# Altium PCB PCB1.PcbDoc
Units mm, origin at the board's own origin, x right, y up, seen from the top; angles counter-clockwise.
Board outline 32 x 32 mm, 2 copper layers (Top Layer, Bottom Layer); 100 components, 68 nets, 360 pads, 12 vias.
Unrouted connection lines stored in the file: 257.
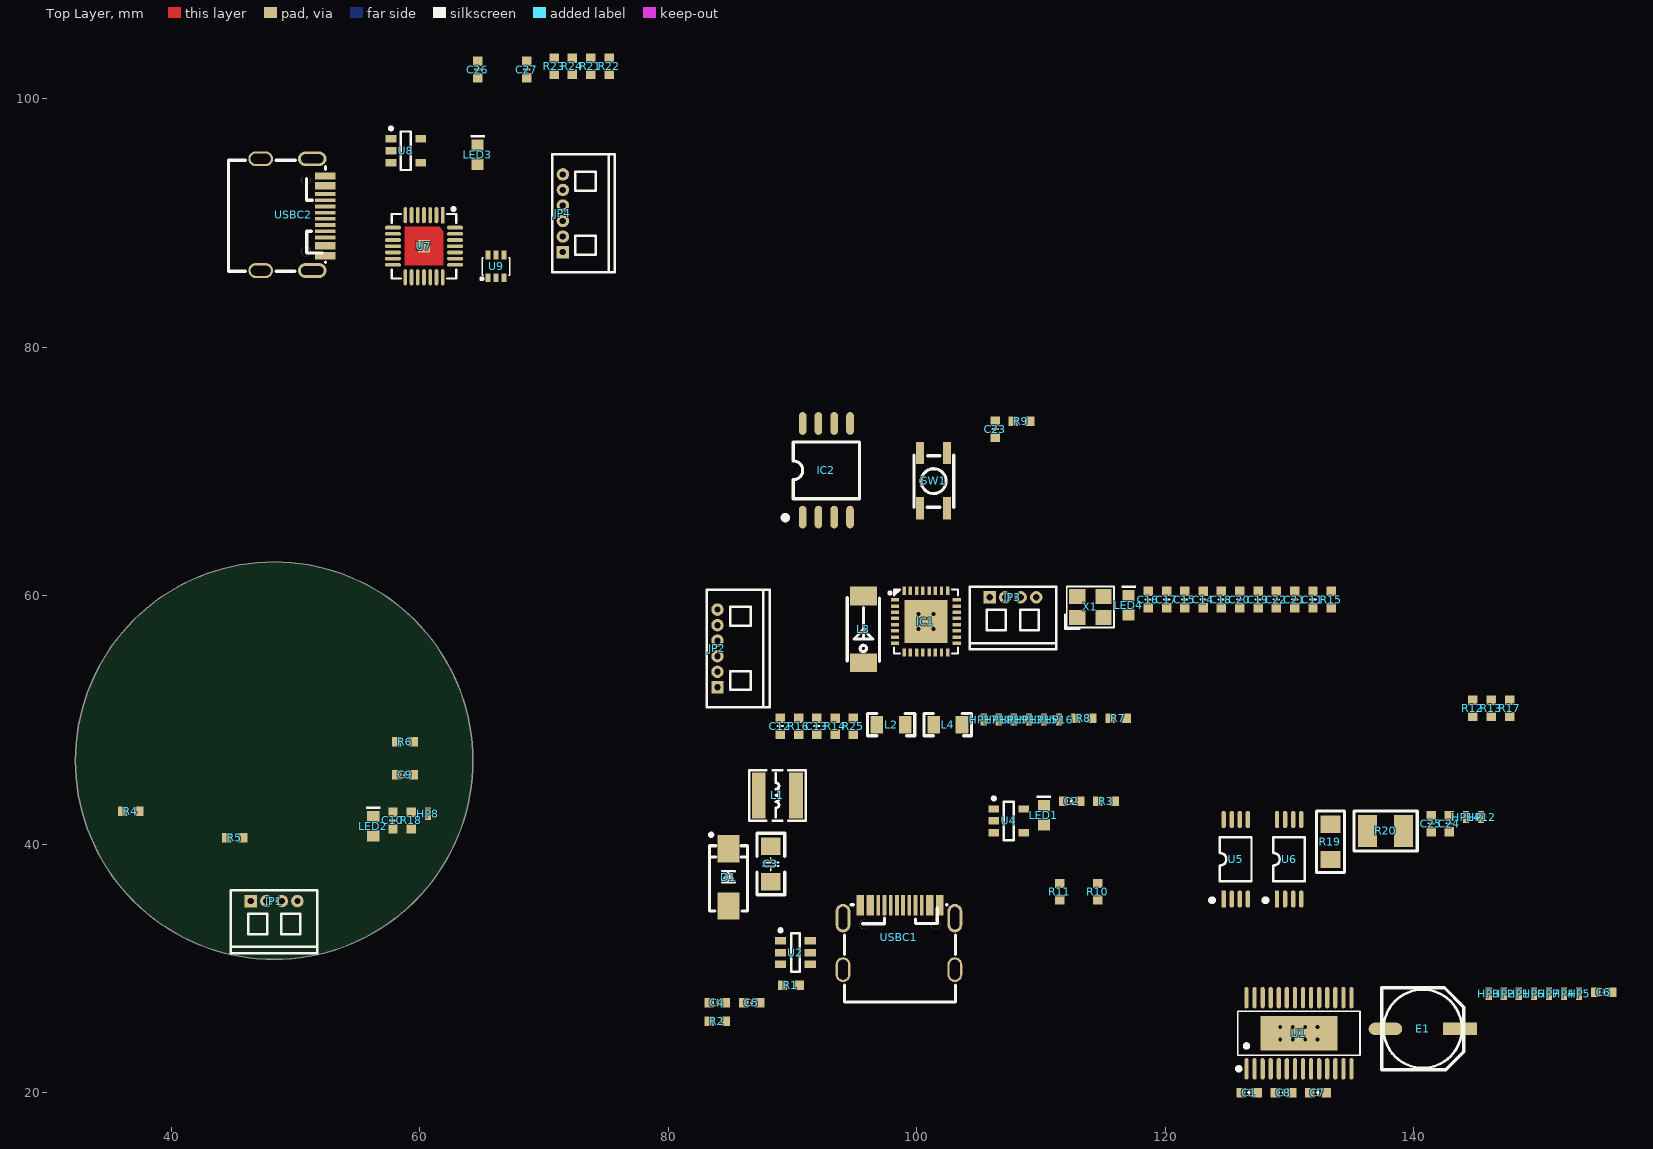
[diagram p0: Top Layer view]
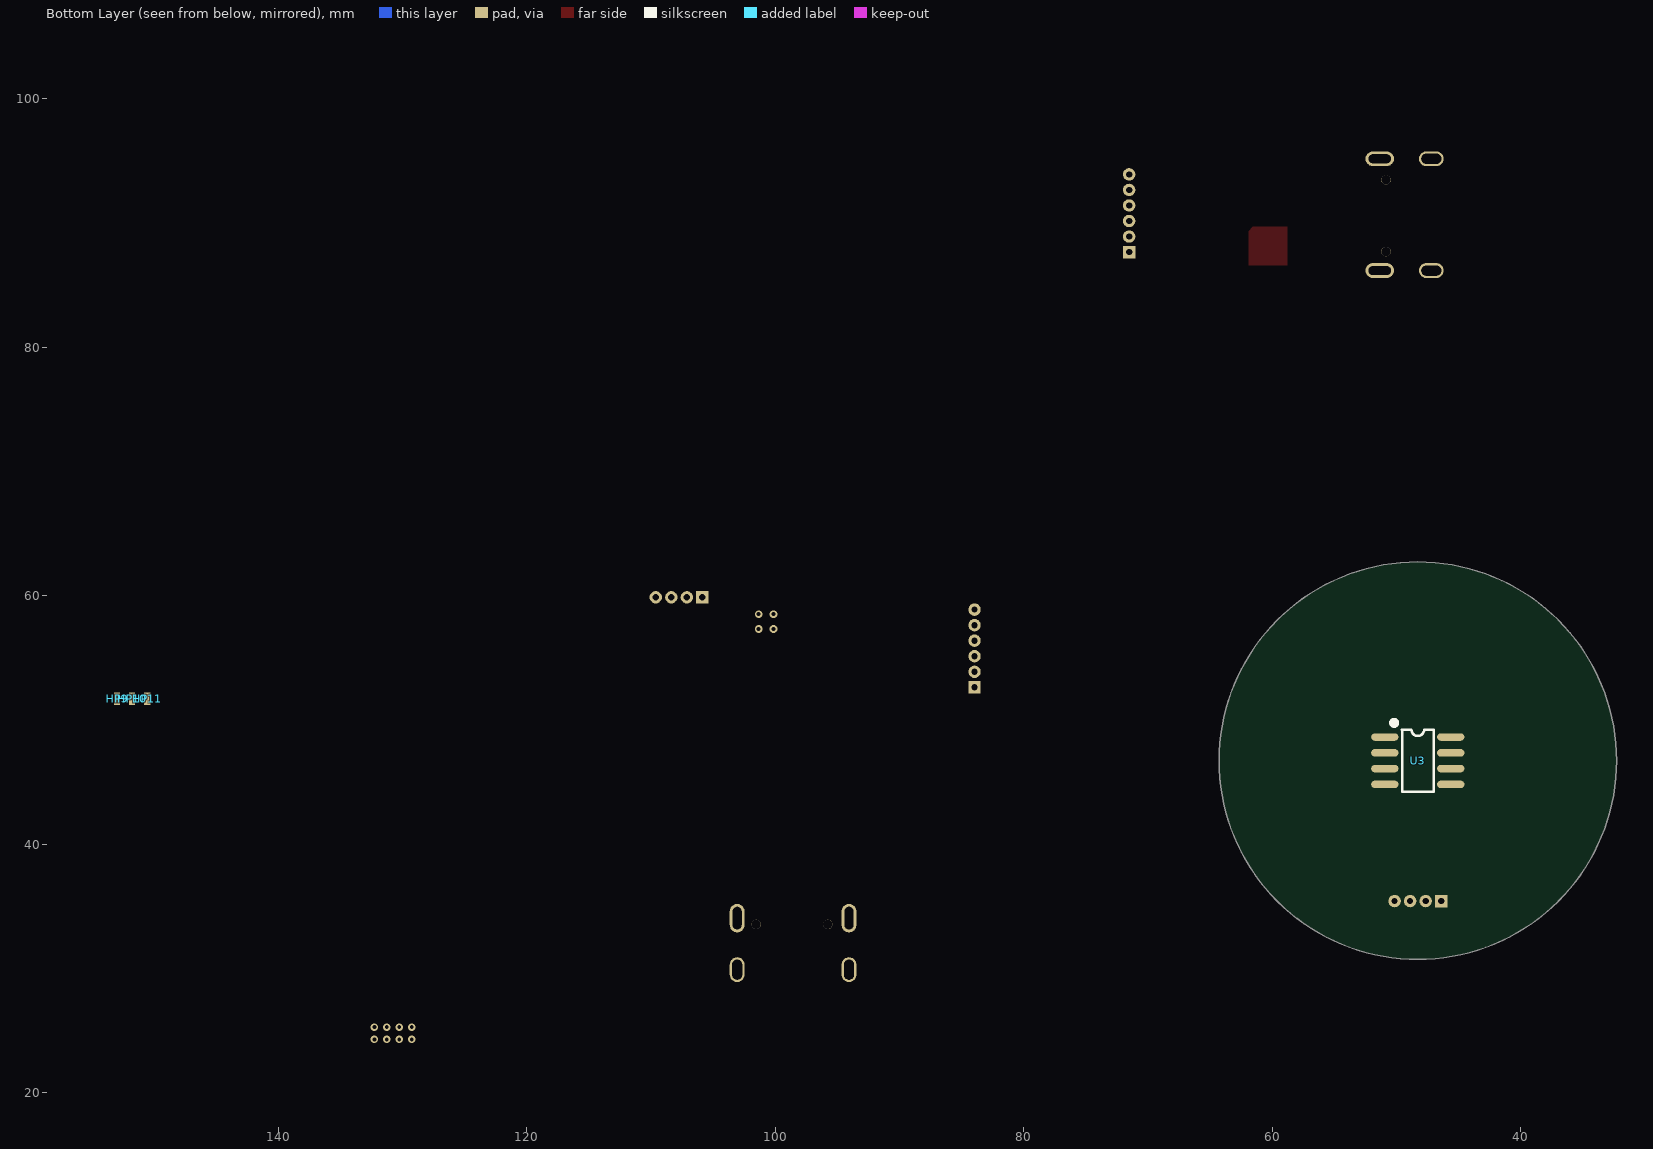
[diagram p1: Bottom Layer view, seen from below]

## Layer stack, top to bottom
Top Solder: solder mask 0.0102, Solder Resist, Dk 3.5
Top Layer: signal copper 0.0356
Dielectric 1: dielectric 0.32, FR-4, Dk 4.8
Bottom Layer: signal copper 0.0356
Bottom Solder: solder mask 0.0102, Solder Resist, Dk 3.5

## Board outline
32.269,46.73 ccw(c48.269,46.73) 48.269,30.73 ccw(c48.269,46.73) 64.269,46.73 ccw(c48.269,46.73) 48.269,62.73 ccw(c48.269,46.73)

## Design rules (kind name [scope] priority, off if disabled: settings)
Clearance [All] p1: gap=0.152 ignorepadtopadclearanceinfootprint=TRUE
PolygonConnect [InNet('GND')] p1: thpad.connectstyle=Relief thpad.reliefconductorwidth=0.254 thpad.reliefentries=4 thpad.polygonreliefangle="90 Angle" thpad.airgapwidth=0.254 smdpad.connectstyle=Relief smdpad.reliefconductorwidth=0.254 smdpad.reliefentries=4 smdpad.polygonreliefangle="90 Angle" smdpad.airgapwidth=0.254 via.connectstyle=Direct via.reliefconductorwidth=0.254 via.reliefentries=4 via.polygonreliefangle="90 Angle" via.airgapwidth=0.254
RoutingVias [All] p1: holewidth=0.4 width=0.6 viastyle="Through Hole" minholewidth=0.4 minwidth=0.6 maxholewidth=0.4 maxwidth=0.6
SolderMaskExpansion [All] p1: expansion=0.102 istentingtop=FALSE
UnRoutedNet [All] p1: checkbadconnections=TRUE
Width [All] p1: maxlimit=0.305 minlimit=0.203 preferedwidth=0.203
29 further rules are at their usual default settings.

## Components (designator, comment, footprint, x,y, rotation, side; value= is the part's Value field where it differs from the comment)
C1 "104" "C 0603_L" 126.736,20.02 r0 top
C2 "104" "C 0603_L" 112.449,43.459 r0 top
C3 "22uF" "C 1206_L" 88.24,38.394 r90 top
C4 "104" "C 0603_L" 83.937,27.241 r0 top
C5 "10uF" "C 0603_L" 86.71,27.241 r0 top
C6 "0.47uF" "C 0603_L" 155.285,28.092 r0 top
C7 "0.01uF/100V" "C 0603_L" 132.282,20.02 r0 top
C8 "0.1uF/16V/MLCC" "C 0603_L" 129.509,20.02 r0 top
C9 "104" "C 0603_L" 58.801,45.593 r0 top
C10 "105" "C 0603_L" 57.83,41.92 r90 top
C11 "10pF" "C 0603_L" 131.881,59.7 r90 top
C12 "10pF" "C 0603_L" 89.002,49.514 r90 top
C13 "105" "C 0603_L" 91.948,49.514 r90 top
C14 "103" "C 0603_L" 123.041,59.7 r90 top
C15 "105" "C 0603_L" 121.568,59.7 r90 top
C16 "104" "C 0603_L" 118.622,59.7 r90 top
C17 "104" "C 0603_L" 120.095,59.7 r90 top
C18 "2.4pF" "C 0603_L" 124.515,59.7 r90 top
C19 "8.2pF" "C 0603_L" 127.461,59.7 r90 top
C20 "104" "C 0603_L" 125.988,59.7 r90 top
C21 "105" "C 0603_L" 130.407,59.7 r90 top
C22 "104" "C 0603_L" 128.934,59.7 r90 top
C23 "104" "C 0603_L" 106.295,73.416 r90 top
C24 "104" "C 0603_L" 142.86,41.666 r90 top
C25 "104" "C 0603_L" 141.387,41.666 r90 top
C26 "104" "C 0603_L" 64.643,102.362 r90 top
C27 "104" "C 0603_L" 68.58,102.362 r90 top
D1 "SS14" SMA 84.836,37.338 r90 top
E1 "100uF/16V" "CM D(6.3*5.4)" 140.714,25.148 r0 top
HP1 "HP" HP1x0.5 148.448,27.973 r90 top
HP2 "HP" HP1x0.5 147.236,27.973 r90 top
HP3 "HP" HP1x0.5 146.025,27.973 r90 top
HP4 "HP" HP1x0.5 152.081,27.973 r90 top
HP5 "HP" HP1x0.5 153.292,27.973 r90 top
HP6 "HP" HP1x0.5 149.659,27.973 r90 top
HP7 "HP" HP1x0.5 150.87,27.973 r90 top
HP8 "HP" HP1x0.5 60.645,42.451 r90 top
HP9 "OUT1" HP1x0.5 152.963,51.722 r90 bottom
HP10 "OUT2" HP1x0.5 151.752,51.722 r90 bottom
HP11 "OUT3" HP1x0.5 150.54,51.722 r90 bottom
HP12 "HP" HP1x0.5 145.413,42.197 r90 top
HP13 "HP" HP1x0.5 109.014,50.045 r90 top
HP14 "HP" HP1x0.5 144.202,42.197 r90 top
HP15 "HP" HP1x0.5 110.225,50.045 r90 top
HP16 "HP" HP1x0.5 111.437,50.045 r90 top
HP17 "HP" HP1x0.5 105.381,50.045 r90 top
HP18 "HP" HP1x0.5 106.592,50.045 r90 top
HP19 "HP" HP1x0.5 107.803,50.045 r90 top
IC1 "ESP32-C3" ESP32-C3 100.73,57.929 r0 top
IC2 "W25Q64" SOIC-8W 92.71,70.104 r90 top
JP1 "HDR-1X4" "MX 1.25-WI-4P" 48.26,35.433 r0 top
JP2 "HDR-1X6" "MX 1.25-WI-6P" 83.947,55.763 r90 top
JP3 "HDR-1X4" "MX 1.25-WI-4P" 107.731,59.883 r0 top
JP4 "HDR-1X6" "MX 1.25-WI-6P" 71.501,90.795 r90 top
L1 "4.7uH" NR4020 88.773,43.942 r0 top
L2 "2.0nH" "L 0805" 97.917,49.631 r0 top
L3 "AN2051" "AN2051-245 2.4G" 95.725,57.28 r90 top
L4 "1.5nH" "L 0805" 102.489,49.631 r0 top
LED1 "B" "LED 0603B" 110.217,42.342 r90 top
LED2 "B" "LED 0603B" 56.248,41.453 r90 top
LED3 "B" "LED 0603B" 64.643,95.504 r90 top
LED4 "B" "LED 0603B" 117.04,59.233 r90 top
R1 "47K" "R 0603_L" 89.864,28.638 r0 top
R2 "3K" "R 0603_L" 83.937,25.768 r0 top
R3 "4.7K" "R 0603_L" 115.222,43.459 r0 top
R4 "4.7K" "R 0603_L" 36.718,42.672 r0 top
R5 "4.7K" "R 0603_L" 45.085,40.513 r0 top
R6 "1K" "R 0603_L" 58.801,48.26 r0 top
R7 "0" "R 0603_L" 116.202,50.164 r0 top
R8 "0" "R 0603_L" 113.429,50.164 r0 top
R9 "10K" "R 0603_L" 108.418,74.066 r0 top
R10 "5.1K" "R 0603_L" 114.554,36.195 r270 top
R11 "5.1K" "R 0603_L" 111.506,36.195 r90 top
R12 "0" "R 0603_L" 144.755,50.937 r90 top
R13 "0" "R 0603_L" 146.228,50.937 r90 top
R14 "10K" "R 0603_L" 93.421,49.514 r90 top
R15 "10K" "R 0603_L" 133.354,59.7 r90 top
R16 "10K" "R 0603_L" 90.475,49.514 r90 top
R17 "0" "R 0603_L" 147.701,50.937 r90 top
R18 "4.7K" "R 0603_L" 59.303,41.92 r90 top
R19 "0.01R" "R 1206_L" 133.29,40.172 r90 top
R20 "0.01R" "R 1210_L" 137.719,41.072 r0 top
R21 "5.1K" "R 0603_L" 73.748,102.626 r90 top
R22 "5.1K" "R 0603_L" 75.222,102.626 r90 top
R23 "4.7K" "R 0603_L" 70.802,102.626 r90 top
R24 "1K" "R 0603_L" 72.275,102.626 r90 top
R25 "1K" "R 0603_L" 94.894,49.514 r90 top
SW1 "3.2x4.2x5" "TSW SMD 3.2*4.2*2.5" 101.346,69.215 r90 top
U1 "DRV8313" HTSSOP-28-EP-4.5mm 130.752,24.793 r0 top
U2 "MT3608" SOT23-6L 90.22,31.278 r0 top
U3 "AS5600" SOIC-8 48.269,46.73 r180 bottom
U4 "TLV75533PDBVR" SOT23-5L 107.391,41.892 r0 top
U5 "INA240" TSSOP8_N 125.661,38.797 r90 top
U6 "INA240" TSSOP8_N 129.962,38.797 r90 top
U7 "CP2102" "QFN28 5x5_M" 60.325,88.138 r180 top
U8 "TLV75533PDBVR" SOT23-5L 58.871,95.824 r0 top
U9 "UMH3N" SOT-363 66.167,86.487 r90 top
USBC1 "TYPE-C 2.0 -16P" USB-C-SMD_TYPE-C-USB-5 98.552,32.385 r0 top
USBC2 "TYPE-C 2.0 -16P" USB-C-SMD_TYPE-C-USB-5 49.657,90.678 r270 top
X1 "40M" "OSC 3225-4P" 113.96,59.107 r0 top

## Footprints (in the part's own frame and the unit in brackets; to place one, negate y for a bottom-side part, rotate by r counter-clockwise, add the part's x,y. Pads: shape width x height; smd on the part's side, far side on the other; paste and mask are expansions set on the pad)
"AN2051-245 2.4G" [mm] "2x5x1mm (2051)"
  rect 1.5x2.2 smd: 1(-2.679,0.03) 2(2.701,0.03)
  silkscreen extent -2.55,-1.27 2.56,1.33, body extent -2.59,-1.3 2.57,1.35, height 1
"C 0603_L" [mil] "无极性贴片电容                                       淘宝ID:黄晶宝石"
  rect 30x30 smd: 1(-25.59,0) 2(25.59,0)
  silkscreen extent -3,-9 3,9, body extent -31,-16 32,16, height 32
"C 1206_L" [mil] "无极性贴片电容                 淘宝ID:黄晶宝石"
  rect 55x62 smd: 1(-55.12,0) 2(57.09,0)
  silkscreen extent -96,-44 98,44, body extent -63,-32 63,32, height 48
"CM D(6.3*5.4)" [mm] "贴片电解电容，直径6.3mm，高5.4mm           淘宝ID:黄晶宝石"
  rect 2.7x1 smd: 1(3,0)
  oval 2.7x1 smd: 2(-3,0)
  silkscreen extent -3.3,-3.3 3.3,3.3, body extent -3.5,-3.3 3.5,3.3, height 5.4
ESP32-C3 [mm] "QFN32(5x5)"
  rect 0.65x0.28 smd: 1(-2.478,1.75) 2(-2.478,1.25) 3(-2.478,0.75) 4(-2.478,0.25) 5(-2.478,-0.25) 6(-2.478,-0.75) 7(-2.478,-1.25) 8(-2.478,-1.75) 17(2.478,-1.75) 18(2.478,-1.25) 19(2.478,-0.75) 20(2.478,-0.25) 21(2.478,0.25) 22(2.478,0.75) 23(2.478,1.25) 24(2.478,1.75)
  rect 0.28x0.65 smd: 9(-1.75,-2.478) 10(-1.25,-2.478) 11(-0.75,-2.478) 12(-0.25,-2.478) 13(0.25,-2.478) 14(0.75,-2.478) 15(1.25,-2.478) 16(1.75,-2.478) 25(1.75,2.478) 26(1.25,2.478) 27(0.75,2.478) 28(0.25,2.478) 29(-0.25,2.478) 30(-0.75,2.478) 31(-1.25,2.478) 32(-1.75,2.478)
  rect 3.444x3.444 smd: 33(0,0)
  silkscreen extent -3,-2.58 2.58,2.58, body extent -2.54,-2.54 2.54,2.54, height 0.25
HP1x0.5 [mm]
  rect 1x0.5 smd: 1(0,0)
HTSSOP-28-EP-4.5mm [mm] "DRV8313"
  oval 0.343x1.731 smd paste+0 mask+0.051: 1(-4.225,-2.866) 2(-3.575,-2.866) 3(-2.925,-2.866) 4(-2.275,-2.866) 5(-1.625,-2.866) 6(-0.975,-2.866) 7(-0.325,-2.866) 8(0.325,-2.866) 9(0.975,-2.866) 10(1.625,-2.866) 11(2.275,-2.866) 12(2.925,-2.866) 13(3.575,-2.866) 14(4.225,-2.866) 15(4.225,2.866) 16(3.575,2.866) 17(2.925,2.866) 18(2.275,2.866) 19(1.625,2.866) 20(0.975,2.866) 21(0.325,2.866) 22(-0.325,2.866) 23(-0.975,2.866) 24(-1.625,2.866) 25(-2.275,2.866) 26(-2.925,2.866) 27(-3.575,2.866) 28(-4.225,2.866)
  rect 6.2x2.75 smd paste+0 mask+0.051: 29(0,0)
  silkscreen extent -5,-3.02 4.93,1.77
"L 0805" [mil] "小功率贴片电感        淘宝ID:黄晶宝石"
  rect 40x55 smd: 1(-45,0) 2(45,0)
  silkscreen extent -75,-35 75,35, body extent -39,-24 39,24, height 35
"LED 0603B" [mm] "蓝色0603LED                             淘宝ID:黄晶宝石"
  rect 0.93x0.98 smd: 1(-0.77,0) 2(0.77,0)
  silkscreen extent 1.4,-0.58 1.6,0.58, body extent -0.8,-0.4 0.8,0.4, height 0.61
"MX 1.25-WI-4P" [mm] "长：6.75mm，宽：1.8mm，高：3.3mm"
  rect 1x1 hole 0.5: 1(-1.875,0)
  round 1 hole 0.5: 2(-0.625,0) 3(0.625,0) 4(1.875,0)
  silkscreen extent -3.49,-4.19 3.49,0.85, body extent -3.37,-4.05 3.37,0.85, height 3.35
"MX 1.25-WI-6P" [mm] "长：9.25mm，宽：1.8mm，高：3.3mm"
  rect 1x1 hole 0.5: 1(-3.125,0)
  round 1 hole 0.5: 2(-1.875,0) 3(-0.625,0) 4(0.625,0) 5(1.875,0) 6(3.125,0)
  silkscreen extent -4.74,-4.19 4.74,0.85, body extent -4.62,-4.05 4.62,0.85, height 3.35
NR4020 [mm] "4.0mm*4.0mm*2.0mm(长*宽*高）"
  rect 1.1x3.7 smd: 1(-1.5,0) 2(1.5,0)
  silkscreen extent -2.29,-2.03 2.29,2.03, body extent -2,-2 2,2, height 2.1
"OSC 3225-4P" [mm] "3.2*2.5*0.7mm(长宽高)                         淘宝ID:黄晶宝石"
  rect 1.3x1.2 smd: 1(-1.05,-0.85) 2(1.05,-0.85) 3(1.05,0.85) 4(-1.05,0.85)
  silkscreen extent -2.03,-1.75 1.91,1.65, body extent -1.6,-1.25 1.6,1.25, height 0.7
"QFN28 5x5_M" [mm] "28脚，长x宽x高：5x5x0.8mm，脚距：0.5mm"
  rect 0.3x1.3 smd: 1(-1.5,-2.5)
  oval 0.3x1.3 smd: 2(-1,-2.5) 3(-0.5,-2.5) 4(0,-2.5) 5(0.5,-2.5) 6(1,-2.5) 7(1.5,-2.5) 15(1.5,2.5) 16(1,2.5) 17(0.5,2.5) 18(0,2.5) 19(-0.5,2.5) 20(-1,2.5) 21(-1.5,2.5)
  oval 1.3x0.3 smd: 8(2.5,-1.5) 9(2.5,-1) 10(2.5,-0.5) 11(2.5,0) 12(2.5,0.5) 13(2.5,1) 14(2.5,1.5) 22(-2.5,1.5) 23(-2.5,1) 24(-2.5,0.5) 25(-2.5,0) 26(-2.5,-0.5) 27(-2.5,-1) 28(-2.5,-1.5)
  rect 1x1 smd: 29(0,0)
  Top Layer region: -1.55,1.55 1.55,1.55 1.55,-1.55 -1.225,-1.55 -1.55,-1.225
  silkscreen extent -2.6,-3.12 2.6,2.6, body extent -2.51,-2.51 2.51,2.51
"R 0603_L" [mil] "1/10W贴片电阻                 淘宝ID:黄晶宝石"
  rect 30x30 smd: 1(-25.59,0) 2(25.59,0)
  body extent -31,-16 32,16, height 16
"R 1206_L" [mil] "1/4W贴片电阻             淘宝ID:黄晶宝石"
  rect 55x62 smd: 1(-55.12,0) 2(57.09,0)
  silkscreen extent -96,-44 98,44, body extent -63,-31 63,32, height 22
"R 1210_L" [mm] "1/3W贴片电阻             淘宝ID:黄晶宝石"
  rect 1.524x2.54 smd: 1(-1.45,0) 2(1.45,0)
  silkscreen extent -2.55,-1.6 2.55,1.6, body extent -1.57,-1.25 1.62,1.25, height 0.55
SMA [mm] "4.5x2.6*2.2mm（长宽高，不包括引脚）"
  rect 2.2x1.75 smd: 1(-2.3,0) 2(2.3,0)
  silkscreen extent -2.7,-1.52 3.56,1.52, body extent -2.53,-1.3 2.58,1.3, height 2.15
SOIC-8 [mm] "封装库来自淘宝卖家 ID：黄晶宝石"
  oval 2.2x0.6 smd: 1(-2.654,1.905) 2(-2.654,0.635) 3(-2.654,-0.635) 4(-2.654,-1.905) 5(2.654,-1.905) 6(2.654,-0.635) 7(2.654,0.635) 8(2.654,1.905)
  silkscreen extent -2.06,-2.5 1.27,3.2, body extent -3,-2.5 3,2.5, height 1.9
SOIC-8W [mil] "25Q128 SPI_FLASH  SOIC8，封装库来自淘宝卖家 ID：黄晶宝石"
  oval 72x24 smd: 1(-148.35,75) 2(-148.35,25) 3(-148.35,-25) 4(-148.35,-75) 5(148.35,-75) 6(148.35,-25) 7(148.35,25) 8(148.35,75)
  silkscreen extent -155,-105 90,135, body extent -155,-104 155,104, height 75
SOT23-5L [mm] "SOT23, 5-Leads, Body 2.9x1.6mm, Pitch 0.95mm, IPC High Density封装库来自淘宝卖家 ID：黄晶宝石"
  rect 0.85x0.6 smd: 1(-1.2,0.95) 2(-1.2,0) 3(-1.2,-0.95) 4(1.2,-0.95) 5(1.2,0.95)
  silkscreen extent -1.32,-1.55 0.4,1.92, body extent -1.4,-1.5 1.4,1.5, height 1.15
SOT23-6L [mm] "SOT-23, 6-Leads, Body 2.90x1.60mm, Pitch 0.95mm, IPC High Density封装库来自淘宝卖家 ID：黄晶宝石"
  rect 0.9x0.6 smd: 1(-1.2,0.95) 2(-1.2,0) 3(-1.2,-0.95) 4(1.2,-0.95) 5(1.2,0) 6(1.2,0.95)
  silkscreen extent -1.32,-1.55 0.35,1.92, body extent -1.4,-1.5 1.4,1.5, height 1.15
SOT-363 [mm]
  rect 0.7x0.42 smd: 1(-0.895,0.695) 2(-0.895,0.045) 3(-0.895,-0.605) 4(0.945,-0.605) 5(0.945,0.045) 6(0.945,0.695)
  silkscreen extent -1.07,-1.05 0.72,1.29, body extent -0.68,-1.05 0.72,1.15, height 0.5
TSSOP8_N [mm] "SSOP-8_L3.0-W4.4-H1.0-LS6.4-P0.65  封装库来自淘宝卖家 ID：黄晶宝石"
  rect 1.4x0.35 smd: 1(-3.2,0.975)
  oval 1.4x0.35 smd: 2(-3.2,0.325) 3(-3.2,-0.325) 4(-3.2,-0.975) 5(3.2,-0.975) 6(3.2,-0.325) 7(3.2,0.325) 8(3.2,0.975)
  silkscreen extent -3.43,-1.27 1.78,2.03, body extent -3.18,-1.58 3.1,1.42, height 1.09
"TSW SMD 3.2*4.2*2.5" [mm]
  rect 1.8x0.65 smd: 1(-2.159,1.083) 2(2.286,1.083) 3(-2.159,-1.083) 4(2.286,-1.083)
  silkscreen extent -2.09,-1.62 2.11,1.58, body extent -2.46,-1.6 2.54,1.6, height 2.5
USB-C-SMD_TYPE-C-USB-5 [mm]
  oval 1.2x2 hole 0.8 slot 1.6 at 90 deg: 0(-4.5,-2.475) 0(4.5,-2.475)
  oval 1.2x2.3 hole 0.7 slot 1.8 at 90 deg: 0(-4.5,1.675) 0(4.5,1.675)
  rect 0.3x1.65 smd: A1(-3.263,2.725) A4(-2.462,2.725) A5(-1.162,2.725) A6(-0.162,2.725) A7(0.337,2.725) A8(-1.663,2.725) A9(2.638,2.725) A12(3.438,2.725) B1(3.138,2.725) B4(2.337,2.725) B5(1.838,2.725) B6(0.838,2.725) B7(-0.663,2.725) B8(1.337,2.725) B9(-2.162,2.725) B12(-2.963,2.725)
  round 0.75 hole 0.75 unplated: ""(-2.803,1.175) ""(2.978,1.175)
  silkscreen extent -4.38,-5.08 4.56,2.75, body extent -4.34,-5.14 4.6,2.76, height 3.25

## Part data
C1 C2 C3 C4 C5 C6 C7 C8 C9 C10 C11 C12 C13 C14 C15 C16 C17 C18 C19 C20 C21 C22 C23 C24 C25 C26 C27: library part C, "贴片电容", BOM名称=无极性贴片电容, 封装库来自淘宝卖家ID：黄晶宝石=其他店铺购入均为盗版假冒封装库, 联系卖家，免费查找封装=唯一出售店铺网址https://shop463601444.taobao.com
D1: "肖特基二极管", BOM名称=肖特基二极管, 属性=40V/1A, 联系卖家，免费查找封装=唯一出售店铺网址https://shop463601444.taobao.com
E1: library part CE_SMD, "贴片电解电容", BOM名称=贴片电解电容, 封装库来自淘宝卖家ID：黄晶宝石=其他店铺购入均为盗版假冒封装库, 联系卖家，免费查找封装=唯一出售店铺网址https://shop463601444.taobao.com
HP1 HP2 HP3 HP4 HP5 HP6 HP7 HP8 HP12 HP13 HP14 HP15 HP16 HP17 HP18 HP19: "引脚测试点"
HP9 HP10 HP11: library part HP, "引脚测试点"
IC1: "ESP32-C3 QFN-32(5x5)"
JP1 JP3: library part "Header 4", "4P接插件", BOM名称=4P接插件, 联系卖家，免费技术支持=唯一出售店铺网址https://shop463601444.taobao.com
JP2 JP4: library part "Header 6", "6P接插件", BOM名称=6P接插件, 联系卖家，免费技术支持=唯一出售店铺网址https://shop463601444.taobao.com
L1: library part L-NR, "NR磁胶电感", BOM名称=NR磁胶电感, 封装库来自淘宝卖家ID：黄晶宝石=其他店铺购入均为盗版假冒封装库, 联系卖家，免费查找封装=唯一出售店铺网址https://shop463601444.taobao.com
L2 L4: library part L, "小功率贴片电感", BOM名称=小功率贴片电感, 封装库来自淘宝卖家ID：黄晶宝石=其他店铺购入均为盗版假冒封装库, 联系卖家，免费查找封装=唯一出售店铺网址https://shop463601444.taobao.com
L3: "AN2051-245 2.4G蓝牙wifi 贴片 2051"
LED1 LED2 LED3 LED4: "贴片LED", BOM名称=贴片LED, 封装库来自淘宝卖家 ID：黄晶宝石=其他店铺购入均为假冒，请立即申请退款，本店奖励2~5元现金
R1 R2 R3 R4 R5 R6 R7 R8 R9 R10 R11 R12 R13 R14 R15 R16 R17 R18 R19 R20 R21 R22 R23 R24 R25: library part R, "贴片电阻", BOM名称=贴片电阻, 封装库来自淘宝卖家ID：黄晶宝石=其他店铺购入均为盗版假冒封装库, 联系卖家，免费查找封装=唯一出售店铺网址https://shop463601444.taobao.com
SW1: library part "TSW SMD-3.2x4.2", "贴片4.2*3.2轻触开关"
U1: "DRV8313 无刷直流BLDC 8V~60V三路半H桥驱动器IC"
U2: "DCDC 升压1.2MHZ 2A / 97%"
U3: "AS5600 12bit磁角度位置传感器"
U4 U8: "Vout:3.3V;Vin:1.45~5.5V,500ma;低压降"
U5 U6: "具有增强的 PWM 抑制能力的 -4V 至 80V、双向、超精密电流感应放大器"
U7: "USB转TTL"
U9: "2NPN预偏式(双)"
USBC1 USBC2: library part "USB2.0 Type-C 16Pin母座", "USB2.0 Type-C 母座 16Pin", 联系卖家，免费技术支持=唯一出售店铺网址https://shop463601444.taobao.com
X1: library part XTAL-4P, "4脚无源晶振", BOM名称=4脚无源晶振, 联系卖家，免费查找封装=唯一出售店铺网址https://shop463601444.taobao.com

## Via types
v1: diameter 0.6, hole 0.3, Top Layer to Bottom Layer, 8 vias
v2: diameter 0.61, hole 0.305, Top Layer to Bottom Layer, tented both sides, 3 vias
v3: diameter 0.61, hole 0.305, Top Layer to Bottom Layer, tented bottom, 1 vias

## Nets (pads, with @x,y where several pads share a name; then routed paths per layer and width w, separated by ;. In a path a pad name is that pad's centre, name@x,y a point inside that pad or via, vN(x,y) a via of type N, cw(c..) or ccw(c..) an arc to the next point about the centre after c; other vN are vias at no path point)
3.3: C9.2 C10.2 C13.2 C14.2 C15.2 C16.2 C20.2 C21.2 C22.2 C24.2 C25.1 C27.1 HP18.1 IC1.11 IC1.17 IC1.31 IC1.32 JP1.4 JP2.6 JP3.4 JP4.1 L2.1 R3.2 R4.1 R5.1 R9.2 R14.1 R15.1 R16.2 R18.2 R23.2 R24.1 R25.1 U3.1 U3.2 U4.5 U5.5 U5.6 U6.5 U6.6 U7.6 U8.5
+5: C2.2 C26.2 L1.2 U2.4 U2.5 U4.1 U4.3 U7.7 U7.8 U8.1 U8.3 USBC1.A4 USBC1.A9 USBC1.B4 USBC1.B9 USBC2.A4 USBC2.A9 USBC2.B4 USBC2.B9
AS_SCL: JP1.3 R5.2 U3.7
AS_SDA: JP1.2 R4.2 U3.6
CP_IO: JP4.3 U9.3
CP_RESET: JP4.2 U9.6
CP_RX: JP4.5 U7.25
CP_TX: JP4.4 U7.26
DTR: U7.28 U9.2 U9.4
EN: IC1.16 U1.22 U1.24 U1.26
FAULT: HP7.1 U1.18
GND: C1.1 C2.1 C3.1 C4.1 C5.1 C6.1 C9.1 C10.1 C11.1 C12.2 C13.1 C14.1 C15.1 C16.1 C17.1 C18.1 C20.1 C21.1 C22.1 C23.2 C24.1 C25.2 C26.1 C27.2 E1.2 HP19.1 IC1.33 IC2.4 JP1.1 JP2.1 JP3.1 JP4.6 L4.1 LED1.2 LED2.2 LED3.2 R2.1 R6.2 R10.1 R11.2 R21.1 R22.2 SW1.3 SW1.4 U1.6 U1.7 U1.10 U1.12 U1.13 U1.14 U1.19 U1.20 U1.21 U1.28 U1.29 U2.2 U3.4 U3.8 U4.2 U5.1 U5.4 U5.7 U6.1 U6.4 U6.7 U7.3 U7.29 U8.2 USBC1.0 USBC1.A1 USBC1.A12 USBC1.B1 USBC1.B12 USBC2.0 USBC2.A1 USBC2.A12 USBC2.B1 USBC2.B12 X1.2 X1.4
  other v1: 129.252,24.293 130.252,24.293 131.252,24.293 132.252,24.293 129.252,25.293 130.252,25.293 131.252,25.293 132.252,25.293
  other v2: 101.33,57.329 100.13,58.529 101.33,58.529
  other v3: 100.13,57.329
I2C_SCL: IC1.10 JP3.3
I2C_SDA: IC1.9 JP3.2
IN1: HP1.1 IC1.12 U1.27
IN2: HP2.1 IC1.13 U1.25
IN3: HP4.1 IC1.14 R16.1 U1.23
INA_ADC_1: HP12.1 IC1.4 U5.8
INA_ADC_2: HP14.1 IC1.5 U6.8
IO9: HP17.1 IC1.15 JP2.5
NetC6_2: C6.2 U1.15 U1.16 U1.17
NetC7_1: C7.1 U1.1
NetC7_2: C7.2 U1.2
NetC8_2: C8.2 U1.3
NetC11_2: C11.2 R8.2 X1.1
NetC12_1: C12.1 IC1.29 X1.3
NetC17_2: C17.2 IC1.2 IC1.3 L2.2
NetC18_2: C18.2 C19.2 L3.1
NetC19_1: C19.1 IC1.1 L4.2
NetD1_1: D1.1 L1.1 U2.1
NetHP8_1: HP8.1 U3.3
NetIC1_6: IC1.6 R15.2
NetIC1_28: IC1.28 R7.1
NetIC1_30: IC1.30 R8.1
NetLED1_1: LED1.1 R3.1
NetLED2_1: LED2.1 R18.1
NetLED3_1: LED3.1 R23.1
NetLED4_1: LED4.1 R25.2
NetR1_1: R1.1 R2.2 U2.3
NetR6_1: R6.1 U3.5
NetR10_2: R10.2 USBC1.B5
NetR11_1: R11.1 USBC1.A5
NetR21_2: R21.2 USBC2.B5
NetR22_1: R22.1 USBC2.A5
NetR24_2: R24.2 U7.9
OUT1_N: HP9.1 R12.2 R19.2 U5.2
OUT1_P: HP3.1 R12.1 R19.1 U1.5 U5.3
OUT2_N: HP10.1 R13.2 R20.2 U6.2
OUT2_P: HP5.1 R13.1 R20.1 U1.8 U6.3
OUT3_N: HP11.1 R17.2
OUT3_P: HP6.1 R17.1 U1.9
P3: IC1.8 LED4.2
RESET: C23.1 HP16.1 IC1.7 JP2.4 R9.1 R14.2 SW1.1 SW1.2
RTS: U7.24 U9.1 U9.5
SPI_VDD: IC1.18 IC2.8
SPICLK: IC1.22 IC2.6
SPICS0: IC1.21 IC2.1
SPID: IC1.23 IC2.5
SPIHD: IC1.19 IC2.7
SPIQ: IC1.24 IC2.2
SPIWP: IC1.20 IC2.3
U0+: U7.4 USBC2.A6 USBC2.B6
U0-: U7.5 USBC2.A7 USBC2.B7
U0RX: HP15.1 IC1.27 JP2.3
U0TX: HP13.1 JP2.2 R7.2
USBD+: IC1.26 USBC1.A6 USBC1.B6
USBD-: IC1.25 USBC1.A7 USBC1.B7
VCC: C1.2 C3.2 C4.2 C5.2 C8.1 D1.2 E1.1 R1.2 U1.4 U1.11
pads on no net: L3.2 U2.6 U4.4 U7.1 U7.2 U7.10 U7.11 U7.12 U7.13 U7.14 U7.15 U7.16 U7.17 U7.18 U7.19 U7.20 U7.21 U7.22 U7.23 U7.27 U8.4 USBC1. USBC1.A8 USBC1.B8 USBC2. USBC2.A8 USBC2.B8

## Silkscreen, mask and mechanical layers (free items; w line width, h text height)
Mechanical 1:
  circle w0.013: c54.864,37.169 r0.9
  circle w0.013: c48.269,46.73 r16
  circle w0.013: c48.269,46.73 r5.5
  circle w0.013: c41.674,37.169 r0.9
  circle w0.013: c43.419,56.374 r2.5
  circle w0.013: c99.822,47.879 r21.4
  lines w0.013: 35.96,51.109 cw(c38.269,52.409) 35.96,53.709 40.579,53.709 cw(c38.269,52.409) 40.579,51.109 35.96,51.109 ; 55.96,51.109 cw(c58.269,52.409) 55.96,53.709 60.579,53.709 cw(c58.269,52.409) 60.579,51.109 55.96,51.109
  lines w0.254: 45.339,82.55 75.184,82.55 75.184,98.425 45.339,98.425 45.339,82.55
Mechanical 8:
  lines w0.013: 28.489,46.73 43.269,46.73 ; 38.274,37.169 39.174,37.169 41.674,37.169 ; 38.419,56.374 40.919,56.374 43.419,56.374 ; 41.674,33.769 41.674,34.669 41.674,37.169 ; 41.674,40.569 41.674,39.669 41.674,37.169 ; 43.419,51.374 43.419,53.874 43.419,56.374 ; 43.419,61.374 43.419,58.874 43.419,56.374 ; 45.074,37.169 44.174,37.169 41.674,37.169 ; 45.769,46.73 48.269,46.73 ; 48.269,26.95 48.269,41.73 ; 48.269,44.23 48.269,46.73 ; 48.269,49.23 48.269,46.73 ; 48.269,51.73 48.269,66.51 ; 48.419,56.374 45.919,56.374 43.419,56.374 ; 50.769,46.73 48.269,46.73 ; 51.464,37.169 52.364,37.169 54.864,37.169 ; 53.269,46.73 68.049,46.73 ; 54.864,33.769 54.864,34.669 54.864,37.169 ; 54.864,40.569 54.864,39.669 54.864,37.169 ; 58.264,37.169 57.364,37.169 54.864,37.169